# Allegro board F407_PACK_V10A.brd (continued)
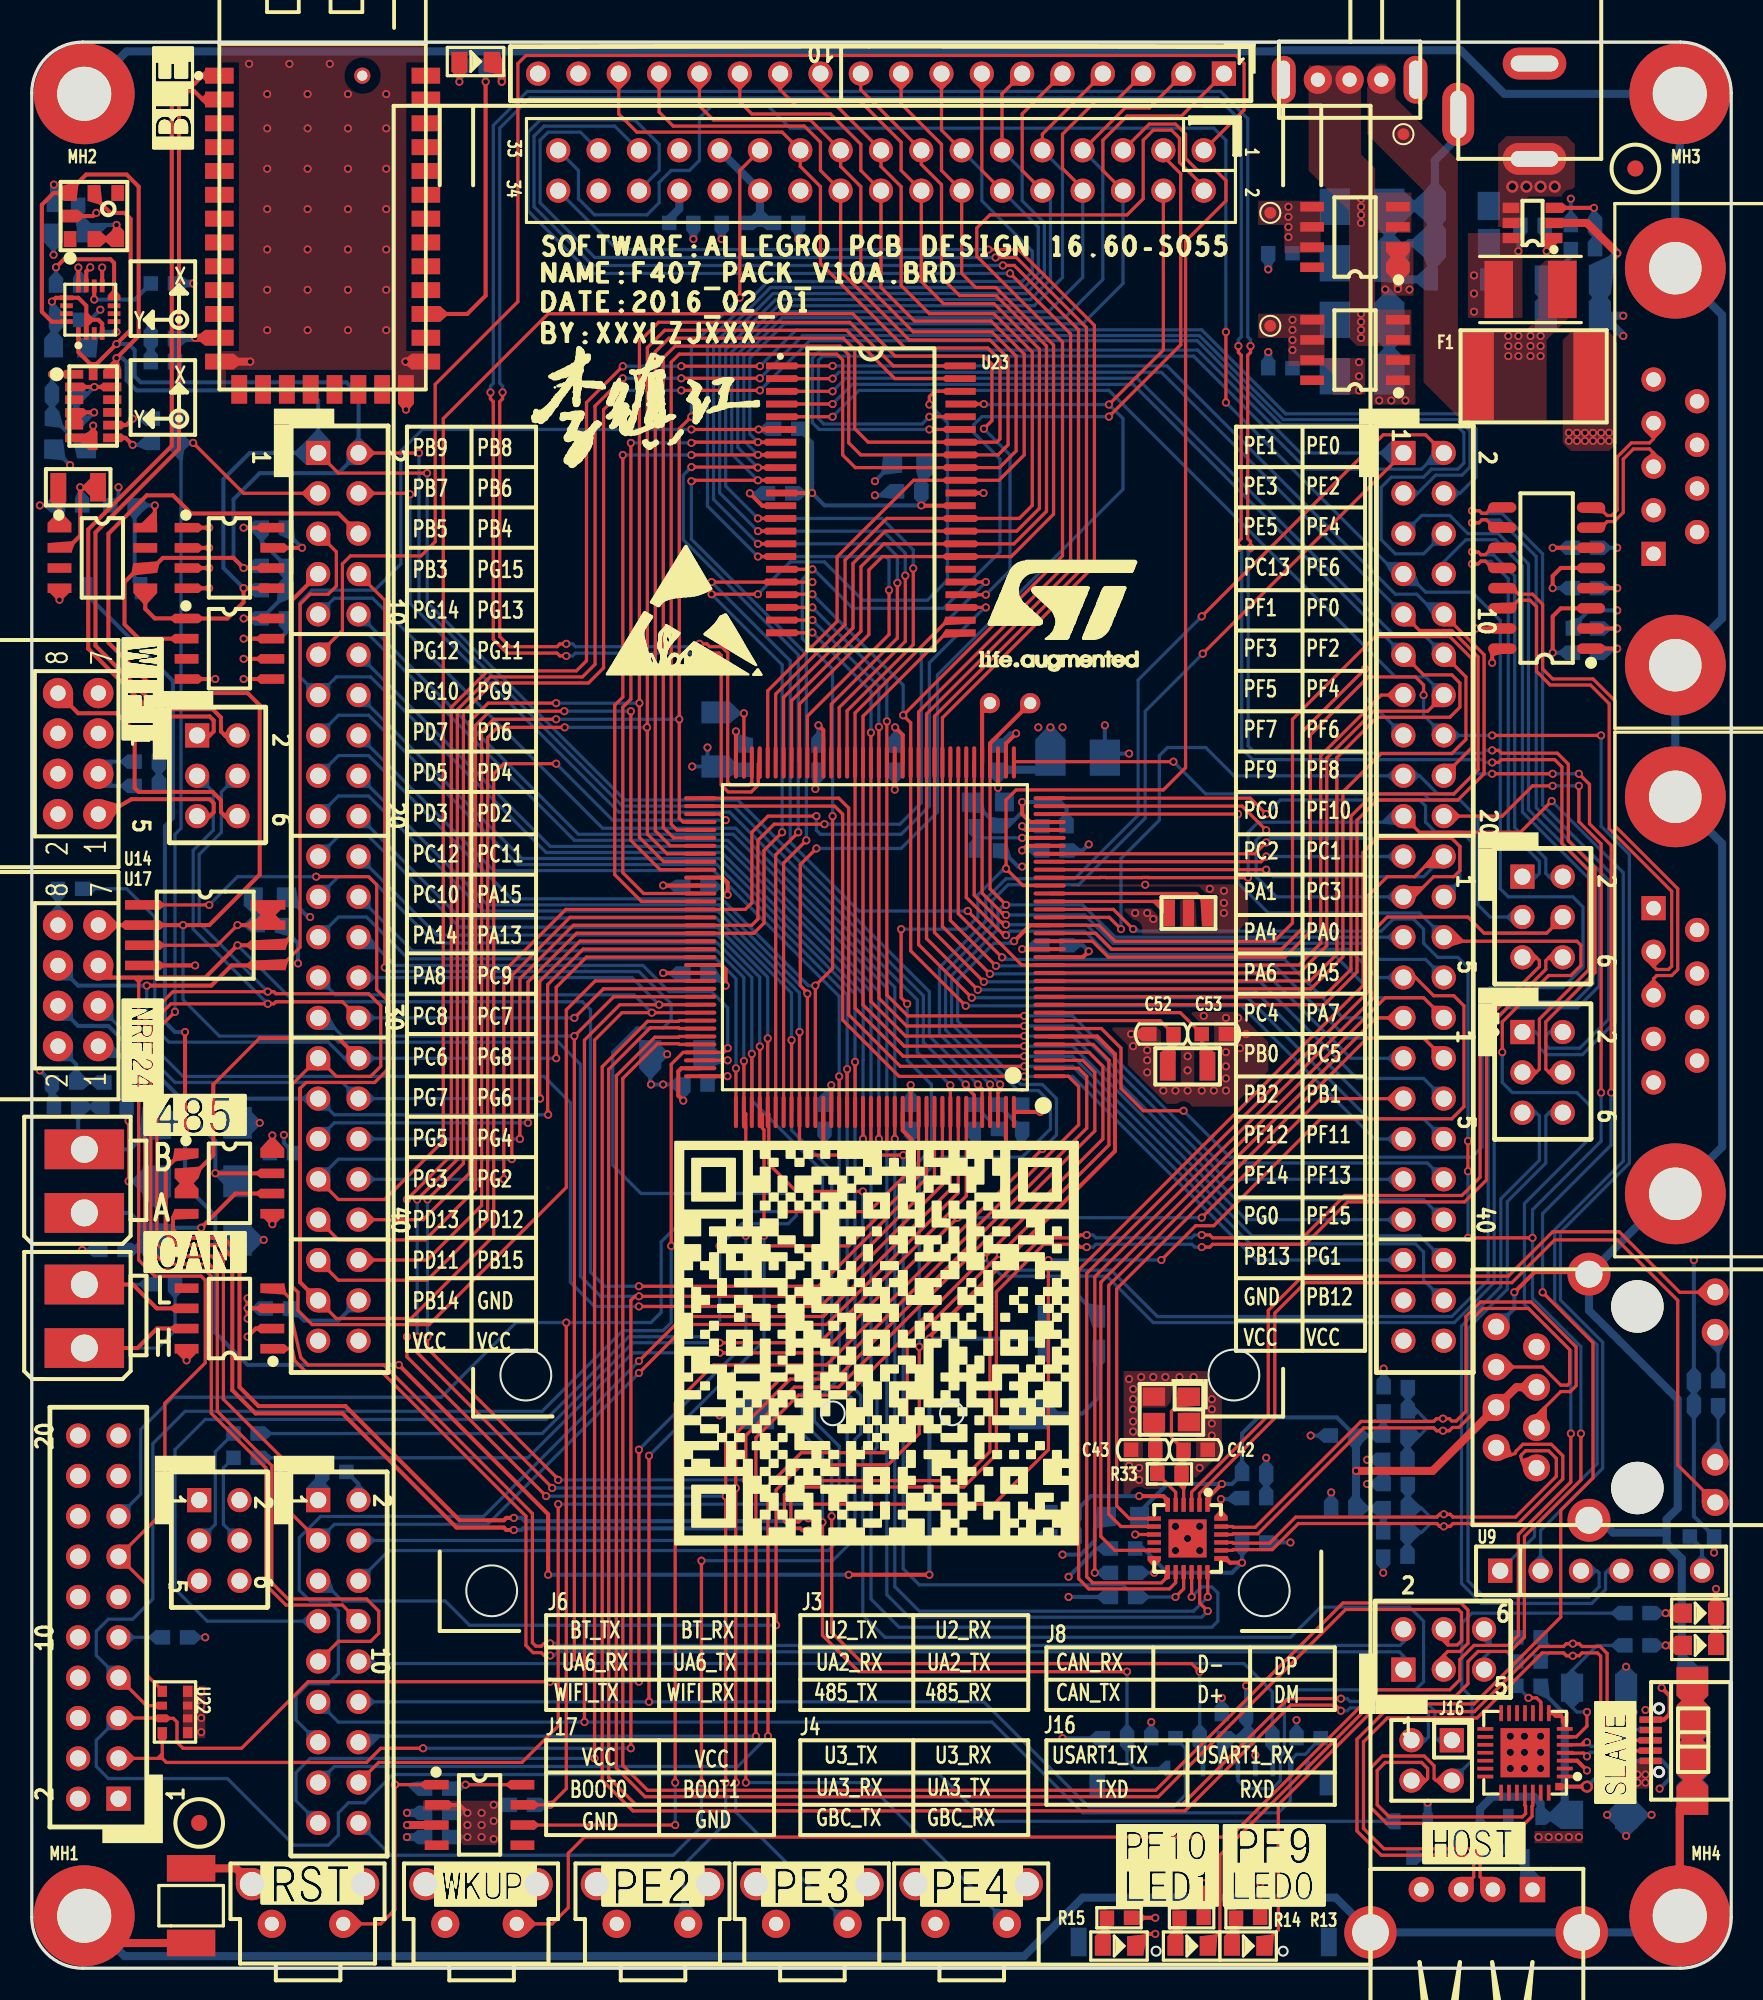
[diagram p0: board, top side]
## Footprints (pads in the part's own frame, mm; a bottom-side part is the same pattern mirrored in y, then rotated) (continued)
MARKPOINT_R3
  round 1.016 smd: 1(0,0)
NRF24L01PACK
  round 1.905 hole 0.965: 1(0,0) 2(0,2.54) 3(2.54,0) 4(2.54,2.54) 5(5.08,0) 6(5.08,2.54) 7(7.62,0) 8(7.62,2.54)
OV2640
  rect 1.524x1.524 hole 1.016: 1(0,0)
  round 1.524 hole 1.016: 2(0,2.54) 3(2.54,0) 4(2.54,2.54) 5(5.08,0) 6(5.08,2.54) 7(7.62,0) 8(7.62,2.54) 9(10.16,0) 10(10.16,2.54) 11(12.7,0) 12(12.7,2.54) 13(15.24,0) 14(15.24,2.54) 15(17.78,0) 16(17.78,2.54) 17(20.32,0) 18(20.32,2.54)
POWER2A
  rect 5x2.5 hole 1.7: 1(2.912,6.05) 2(2.912,2.05)
QFN-24
  rect 0.85x0.28 smd: 1(-2.1,1.25) 2(-2.1,0.75) 3(-2.1,0.25) 4(-2.1,-0.25) 5(-2.1,-0.75) 6(-2.1,-1.25) 13(2.1,-1.25) 14(2.1,-0.75) 15(2.1,-0.25) 16(2.1,0.25) 17(2.1,0.75) 18(2.1,1.25)
  rect 0.28x0.85 smd: 7(-1.25,-2.1) 8(-0.75,-2.1) 9(-0.25,-2.1) 10(0.25,-2.1) 11(0.75,-2.1) 12(1.25,-2.1) 19(1.25,2.1) 20(0.75,2.1) 21(0.25,2.1) 22(-0.25,2.1) 23(-0.75,2.1) 24(-1.25,2.1)
  rect 2.4x2.4 smd: 25(0,0)
QFN-28
  rect 1x0.23 smd: 1(0,0) 2(0,-0.5) 3(0,-1) 4(0,-1.5) 5(0,-2) 6(0,-2.5) 7(0,-3) 15(5.003,-2.998) 16(5.003,-2.498) 17(5.003,-1.998) 18(5.003,-1.498) 19(5.003,-0.998) 20(5.003,-0.498) 21(5.003,0.002)
  rect 0.23x1 smd: 8(1.006,-3.987) 9(1.506,-3.987) 10(2.006,-3.987) 11(2.506,-3.987) 12(3.006,-3.987) 13(3.506,-3.987) 14(4.006,-3.987) 22(4.014,1.016) 23(3.514,1.016) 24(3.014,1.016) 25(2.514,1.016) 26(2.014,1.016) 27(1.514,1.016) 28(1.014,1.016)
  rect 0.45x0.47 smd: 29(0.381,0.635)
  rect 3.1x3.1 smd: 30(2.5,-1.5)
R0603X4
  rect 0.7x0.6 smd: 1(-1.3,-0.8) 4(1.3,-0.8) 5(1.3,0.8) 8(-1.3,0.8)
  rect 0.5x0.6 smd: 2(-0.4,-0.8) 3(0.4,-0.8) 6(0.4,0.8) 7(-0.4,0.8)
RC0603
  rect 0.914x0.914 smd: 1(-0.762,0) 2(0.762,0)
SMB
  rect 1.8x2 smd: 1(-2.54,0) 2(2.54,0)
SMD-7050
  rect 2x5.5 smd: 1(0,0) 2(7,0)
SO-8-208
  rect 0.6x2.2 smd: 1(-1.905,-3.95) 2(-0.635,-3.95) 3(0.635,-3.95) 4(1.905,-3.95) 5(1.905,3.95) 6(0.635,3.95) 7(-0.635,3.95) 8(-1.905,3.95)
SOD123
  rect 0.8x1.4 smd: 1(-0.127,0) 2(3.327,0)
SOIC8
  rect 0.6x1.5 smd: 1(-1.9,-2.7) 2(-0.63,-2.7) 3(0.64,-2.7) 4(1.91,-2.7) 5(1.91,2.7) 6(0.64,2.7) 7(-0.63,2.7) 8(-1.9,2.7)
SOP-16
  oval 0.66x1.778 smd: 1(-4.445,-2.794) 2(-3.175,-2.794) 3(-1.905,-2.794) 4(-0.635,-2.794) 5(0.635,-2.794) 6(1.905,-2.794) 7(3.175,-2.794) 8(4.445,-2.794) 9(4.445,2.794) 10(3.175,2.794) 11(1.905,2.794) 12(0.635,2.794) 13(-0.635,2.794) 14(-1.905,2.794) 15(-3.175,2.794) 16(-4.445,2.794)
SOT23-6
  rect 0.65x1.06 smd: 1(-0.95,-1.354) 2(0,-1.354) 3(0.95,-1.354) 4(0.95,1.354) 5(0,1.354) 6(-0.95,1.354)
SOT23_123
  rect 0.66x1.016 smd: 1(-1.016,-1.118) 2(1.016,-1.118) 3(0,1.118)
SOT23_GDS
  rect 0.66x1.016 smd: 1(-1.016,-1.27) 2(1.016,-1.27) 3(0,1.27)
SW-6X6X6-L
  round 2.032 hole 1.524: 1(-1.25,2.5) 4(5.75,2.5)
  round 1.778 hole 0.889: 2(0,0) 3(4.5,0)
SWITCH_3P
  oval 1.5x3 hole 0.8x2.4: 1(0,0) 5(8.3,0)
  round 1.778 hole 0.889: 2(2.15,0) 3(4.15,0) 4(6.15,0)
TFCARD
  rect 0.3x1 smd: 1(2.25,0) 2(1.15,0) 3(0.05,0) 4(-1.05,0) 5(-2.15,0) 6(-3.25,0) 7(-4.35,0) 8(-5.45,0) 9(-6.55,0)
  rect 1x1.4 smd: 10(-7.8,-1) 13(6.7,-1)
  rect 1x1.8 smd: 11(-7.874,-10.922) 12(7.874,-10.922)
TFTLCD
  round 1.524 hole 1.016: 1(0,0) 2(2.54,0) 3(0,-2.54) 4(2.54,-2.54) 5(0,-5.08) 6(2.54,-5.08) 7(0,-7.62) 8(2.54,-7.62) 9(0,-10.16) 10(2.54,-10.16) 11(0,-12.7) 12(2.54,-12.7) 13(0,-15.24) 14(2.54,-15.24) 15(0,-17.78) 16(2.54,-17.78) 17(0,-20.32) 18(2.54,-20.32) 19(0,-22.86) 20(2.54,-22.86) 21(0,-25.4) 22(2.54,-25.4) 23(0,-27.94) 24(2.54,-27.94) 25(0,-30.48) 26(2.54,-30.48) 27(0,-33.02) 28(2.54,-33.02) 29(0,-35.56) 30(2.54,-35.56) 31(0,-38.1) 32(2.54,-38.1) 33(0,-40.64) 34(2.54,-40.64)
TP-0R75
  round 0.75 smd: 1(0,0)
TQFN-3X3-16
  rect 0.3x0.8 smd: 1(-0.75,-1.5) 2(-0.25,-1.5) 3(0.25,-1.5) 4(0.75,-1.5) 9(0.75,1.5) 10(0.25,1.5) 11(-0.25,1.5) 12(-0.75,1.5)
  rect 0.8x0.3 smd: 5(1.5,-0.75) 6(1.5,-0.25) 7(1.5,0.25) 8(1.5,0.75) 13(-1.5,0.75) 14(-1.5,0.25) 15(-1.5,-0.25) 16(-1.5,-0.75)
TSOP-44
  rect 1.905x0.432 smd: 1(-5.65,8.4) 2(-5.65,7.6) 3(-5.65,6.8) 4(-5.65,6) 5(-5.65,5.2) 6(-5.65,4.4) 7(-5.65,3.6) 8(-5.65,2.8) 9(-5.65,2) 10(-5.65,1.2) 11(-5.65,0.4) 12(-5.65,-0.4) 13(-5.65,-1.2) 14(-5.65,-2) 15(-5.65,-2.8) 16(-5.65,-3.6) 17(-5.65,-4.4) 18(-5.65,-5.2) 19(-5.65,-6) 20(-5.65,-6.8) 21(-5.65,-7.6) 22(-5.65,-8.4) 23(5.65,-8.4) 24(5.65,-7.6) 25(5.65,-6.8) 26(5.65,-6) 27(5.65,-5.2) 28(5.65,-4.4) 29(5.65,-3.6) 30(5.65,-2.8) 31(5.65,-2) 32(5.65,-1.2) 33(5.65,-0.4) 34(5.65,0.4) 35(5.65,1.2) 36(5.65,2) 37(5.65,2.8) 38(5.65,3.6) 39(5.65,4.4) 40(5.65,5.2) 41(5.65,6) 42(5.65,6.8) 43(5.65,7.6) 44(5.65,8.4)
USB-A
  rect 1.6x1.6 hole 0.9: 1(0,0)
  round 1.6 hole 0.9: 2(0,-2.5) 3(0,-4.5) 4(0,-7)
  round 3.3 hole 2.3: 5(2.7,3.1) 6(2.7,-10.2)
USB-MICRO
  rect 0.4x1.4 smd: 1(-1.31,-0.07) 2(-0.66,-0.07) 3(-0.01,-0.07) 4(0.64,-0.07) 5(1.29,-0.07)
  rect 1.8x2 smd: 6(-3.8,-2.7) 7(-1.2,-2.7) 8(1.3,-2.7) 9(3.7,-2.7)
X-2P-3R2X1R5-SMD
  rect 1x1.8 smd: 1(-1.25,0) 2(1.25,0)
X-3P-3R2X1R3-SMD
  rect 0.7x1.7 smd: 1(0,0) 2(1.2,0) 3(2.4,0)
X-4P-3R2X2R5-SMD
  rect 1.4x1.15 smd: 1(-1.1,-0.8) 2(1.1,-0.8) 3(1.1,0.8) 4(-1.1,0.8)

## Nets
GND: BEAD1.2 C1.2 C2.2 C4.2 C5.2 C6.2 C7.2 C8.2 C9.2 C10.1 C11.2 C12.2 C13.1 C14.2 C15.2 C17.1 C18.1 C20.2 C21.2 C22.1 C23.2 C24.1 C25.2 C26.1 C27.1 C28.2 C29.2 C30.1 C31.1 C32.1 C33.2 C34.2 C35.2 C36.1 C38.2 C39.2 C40.2 C41.2 C42.1 C43.1 C44.1 C45.1 C46.1 C47.1 C48.1 C49.1 C50.1 C51.1 C52.1 C53.1 C54.1 C55.2 C56.2 C57.1 C58.2 C59.1 C60.1 C61.1 C62.2 C63.2 C65.1 C66.1 C67.1 C68.1 C69.1 C70.1 C71.1 C72.1 C73.1 C74.1 C75.1 C76.1 C77.2 D1.2(CATHODE) D2.2(CATHODE) D3.1 D6.2(CATHODE) D8.2 D10.1 D11.2(CATHODE) DC1.2 DC1.3 J1.5 J2.1 J10.43 J11.4 J11.6 J11.8 J11.10 J11.12 J11.14 J11.16 J11.18 J11.20 J12.44 J13.17 J14.2(10) J15.22(GND_3) J15.26(GND_2) J15.27(GND_1) J17.5 J17.6 Q2.2(E) R4.2 R16.1 R19.2 R32.1 R34.2 R35.2 R36.2 R39.2 R40.1 R46.2 SW1.1 SW1.5 SW2.1 SW2.4 SW3.1 SW3.2 SW3.4 SW4.1 SW4.2 SW4.4 SW5.1 SW5.2 SW5.4 SW6.1 SW6.2 SW6.4 U1.3(GND_1) U1.29(GND_2) U1.30(GND_3) U2.2(GND) U3.1(GND) U3.2(E\N\) U4.1(GND) U4.2(E\N\) U5.4(GND) U6.6(GND) U7.15(GND) U8.1(A0) U8.2(A1) U8.3(A2) U8.4(GND) U8.7(WP) U9.5(GND) U10.4(VSS) U11.13(GND_1) U11.21(GND_2) U11.22(GND_3) U12.4(GND) U12.5(A2) U12.6(A1) U12.7(A0) U13.5(GND) U14.2(GND) U15.2(GND) U15.8(RS) U16.2(GND_1) U16.4(GND_2) U16.5(GND_3) U16.12(SDO/ALT) U17.1(GND) U18.9(GND_1) U18.11(GND_2) U19.7(GND) U20.25(GND) U21.16(VSS_1) U21.38(VSS_2) U21.51(VSS_3) U21.61(VSS_4) U21.83(VSS_5) U21.94(VSS_6) U21.107(VSS_7) U21.120(VSS_8) U21.130(VSS_9) U23.12(GND_1) U23.34(GND_2) U24.3(GND) U26.2 USB1.5(GND) USB2.5(GND) USB3.4(GND) X2.2 X2.4 X4.2
GND_EARTH: BEAD1.1 J1.10 J1.11 J2.10 J2.11 J9.8(CHS_GND) J9.13(SHILED_1) J9.14(SHILED_2) MH1.1 MH2.1 MH3.1 MH4.1 USB1.6(P_2) USB1.7(P_1) USB1.8(P_3) USB1.9(P_4) USB2.6(P_2) USB2.7(P_1) USB2.8(P_3) USB2.9(P_4) USB3.5(P_2) USB3.6(P_1)
VCC2_3V3: C12.1 C13.2 C62.1 C63.1 R45.1 TP3.1 U4.5(OUT_2) U4.6(OUT_1) U4.7(SENSE) U24.2(VCC)
VCC_3V3: C9.1 C10.2 C15.1 C20.1 C21.1 C24.2 C25.1 C26.2 C27.2 C30.2 C31.2 C33.1 C34.1 C57.2 C59.2 C60.2 C65.2 C66.2 C67.2 C68.2 C69.2 C70.2 C71.2 C72.2 C73.2 C74.2 C75.2 C76.2 C77.1 D12.1 J10.45 J10.46 J11.1 J11.2 J12.45 J12.46 J13.18 J14.1 J15.24(VDD_2) J15.25(VDD_1) J17.1 J17.2 L2.2 L3.2 L4.1 L5.1 L6.1(A) L7.1(A) L8.2 R6.2 R7.2 R8.2 R9.2 R10.1 R11.1 R12.1 R13.1 R14.1 R15.1 R38.2 SW2.2 TP2.1 U3.5(OUT_2) U3.6(OUT_1) U3.7(SENSE) U6.4(VCC) U7.16(VCC) U8.8(VCC) U9.6(VCC) U11.12(3.3V) U12.8(VCC) U13.8(VCC) U14.3(CH_PD) U14.4(GPIO2) U14.7(VCC) U17.2(VCC) U21.17(VDD_1) U21.30(VDD_2) U21.39(VDD_3) U21.52(VDD_4) U21.62(VDD_5) U21.72(VDD_6) U21.84(VDD_7) U21.95(VDD_8) U21.108(VDD_9) U21.121(VDD_10) U21.131(VDD_11) U21.144(VDD_12) U22.5 U22.6 U22.7 U22.8
VCC_5V: C1.1 C8.1 C11.1 C28.1 C61.2 J15.28(BL_VDD) Q1.2 R3.2 R25.2 SW1.3 SW1.4 U1.7(REGIN) U1.8(VBUS) U3.3(IN_1) U3.4(IN_2) U4.3(IN_1) U4.4(IN_2) U15.3(VCC)
VCC_5VOUT: C6.1 C7.1 F1.1 L1.2(B) R5.1 SW1.2 TP1.1
VCC_LAN8720A: C39.1 C46.2 C49.2 C50.2 C51.2 J9.4(TCT) J9.5(RCT) L6.2(B) R28.1 R29.1 R30.1 R31.1 U20.1(VDD2A) U20.9(VDDIO) U20.19(VDD1A)
VCC_VBAT: D7.1 D12.2 D13.2 U21.6(VBAT)
VCC_VDDA: C64.2 L8.1 R47.1 U21.33(VDDA)
VCC_VUSB: F1.2 USB1.1(VBUS) USB2.1(VBUS)
VSSA: C64.1 R46.1 U21.31(VSSA)
ADXL345_INT: J12.3 J14.3(2) R21.2 R22.2 U21.137(PB7)
BOOT0: R42.1 U21.138(BOOT0)
BOOT1: J10.33 J15.29(MISO) R43.2 U21.48(PB2/BOOT1 (PB2))
BT_RXD: J6.2 U11.2(UART_RXD)
BT_TXD: J6.1 U11.1(UART_TXD)
CAN_RX: J8.2 U15.4(R)
CAN_TX: J8.1 U15.1(D)
DCMI_D5: J12.4 J14.13(7) U21.136(PB6)
DCMI_D6: J10.5 J14.14(16) U21.4(PE5)
DCMI_D7: J10.8 J14.15(8) U21.5(PE6)
DCMI_HREF: J10.25 J14.5(3) J18.1 U21.40(PA4)
DCMI_PCLK: J10.27 J14.16(17) U21.42(PA6)
DCMI_PWDN: J12.14 J14.18 U21.124(PG9)
DCMI_RESET: J12.8 J14.7(4) U21.132(PG15)
DCMI_SCL: J12.16 J14.4(11) U21.122(PD6)
DCMI_SDA: J12.15 J14.6(12) U21.123(PD7)
DCMI_XCLK: J12.27 J14.17(9) U21.100(PA8)
ETH_MDC: J10.22 U20.13(MDC) U21.27(PC1)
ETH_MDIO: J3.4 R37.2 U21.36(PA2)
ETH_RST: J12.19 R36.1 U20.15(R\S\T\) U21.117(PD3)
FSMC_A0: J10.10 U21.10(PF0) U23.1(A0)
FSMC_A1: J10.9 U21.11(PF1) U23.2(A1)
FSMC_A2: J10.12 U21.12(PF2) U23.3(A2)
FSMC_A3: J10.11 U21.13(PF3) U23.4(A3)
FSMC_A4: J10.14 U21.14(PF4) U23.5(A4)
FSMC_A5: J10.13 U21.15(PF5) U23.18(A5)
FSMC_A6: J10.35 J15.2(RS) U21.50(PF12) U23.19(A6)
FSMC_A7: J10.38 U21.53(PF13) U23.20(A7)
FSMC_A8: J10.37 U21.54(PF14) U23.21(A8)
FSMC_A9: J10.40 U21.55(PF15) U23.22(A9)
FSMC_A10: J10.39 U21.56(PG0) U23.23(A10)
FSMC_A11: J10.42 U21.57(PG1) U23.24(A11)
FSMC_A12: J12.38 U21.87(PG2) U23.25(A12)
FSMC_A13: J12.37 U21.88(PG3) U23.26(A13)
FSMC_A14: J12.36 U21.89(PG4) U23.27(A14)
FSMC_A15: J12.35 U21.90(PG5) U23.42(A15)
FSMC_A16: J12.41 U21.80(PD11) U23.43(A16)
FSMC_A17: J12.40 U21.81(PD12) U23.44(A17)
FSMC_A18: J12.39 U21.82(PD13)
FSMC_D0: J13.1 J15.6(D0) U21.85(PD14) U23.7(I/O0)
FSMC_D1: J13.2 J15.7(D1) U21.86(PD15) U23.8(I/O1)
FSMC_D2: J13.3 J15.8(D2) U21.114(PD0) U23.9(I/O2)
FSMC_D3: J13.4 J15.9(D3) U21.115(PD1) U23.10(I/O3)
FSMC_D4: J13.5 J15.10(D4) U21.58(PE7) U23.13(I/O4)
FSMC_D5: J13.6 J15.11(D5) U21.59(PE8) U23.14(I/O5)
FSMC_D6: J13.7 J15.12(D6) U21.60(PE9) U23.15(I/O6)
FSMC_D7: J13.8 J15.13(D7) U21.63(PE10) U23.16(I/O7)
FSMC_D8: J13.9 J15.14(D8) U21.64(PE11) U23.29(I/O8)
FSMC_D9: J13.10 J15.15(D9) U21.65(PE12) U23.30(I/O9)
FSMC_D10: J13.11 J15.16(D10) U21.66(PE13) U23.31(I/O10)
FSMC_D11: J13.12 J15.17(D11) U21.67(PE14) U23.32(I/O11)
FSMC_D12: J13.13 J15.18(D12) U21.68(PE15) U23.35(I/O12)
FSMC_D13: J13.14 J15.19(D13) U21.77(PD8) U23.36(I/O13)
FSMC_D14: J13.15 J15.20(D14) U21.78(PD9) U23.37(I/O14)
FSMC_D15: J13.16 J15.21(D15) U21.79(PD10) U23.38(I/O15)
FSMC_NBL0: J10.2 U21.141(PE0) U23.40(U\B\)
FSMC_NBL1: J10.1 U21.142(PE1) U23.39(L\B\)
FSMC_NE3: J12.13 R41.2 U21.125(PG10) U23.6(C\E\)
FSMC_NE4: J12.11 J15.1(LCD_CS) U21.127(PG12)
FSMC_NOE: J12.18 J15.4(RD) U21.118(PD4) U23.41(O\E\)
FSMC_NWE: J12.17 J15.3(WR/CLK) U21.119(PD5) U23.17(W\E\)
GBC_KEY: J10.16 U9.2(KEY) U21.18(PF6)
GBC_LED: J10.19 U9.1(LED) U21.26(PC0)
GBC_RX: J4.6 U9.3(RXD)
GBC_TX: J4.5 U9.4(TXD)
IIC_SCL: J12.2 R8.1 U8.6(SCL) U10.6(SCL) U12.2(SCL) U16.14(SCL/SCLK) U18.1(SCL) U19.5(SCL) U21.139(PB8)
IIC_SDA: J12.1 R9.1 U8.5(SDA) U10.5(SDA) U12.1(SDA) U16.13(SDA/SDIO) U18.16(SDA) U19.6(SDA) U21.140(PB9)
JTAG_TCK: J12.25 U21.109(PA14 (JTCK/SWCLK))
JTAG_TCLK: J11.9 R40.2
JTAG_TMS: J11.7 J12.26 U21.105(PA13 (JTMS-SWDIO)) U22.2
KEY0: J10.6 SW3.3 U21.3(PE4)
KEY1: J10.3 SW4.3 U21.2(PE3)
KEY2: J10.4 SW5.3 U21.1(PE2)
LCD_BL: J12.42 J15.23(BL) U21.76(PB15)
LED0: D4.2(CATHODE) J10.17 U21.21(PF9)
LED1: D5.2(CATHODE) J10.20 U21.22(PF10)
LINK_LED: J9.12(LED(Y)_A) U20.3(LED1/R\E\G\O\F\F\)
NRF_CE: J12.34 U17.3(CE) U21.91(PG6)
NRF_CS: J12.33 U17.4(CSN) U21.92(PG7)
NRF_IRQ: J12.32 R26.1 U13.2(R\E\) U13.3(DE) U21.93(PG8)
NRST: J11.15 J15.5(RST) R45.2 U21.25(NRST) U24.7(R\S\T\)
PA5: J10.28 J18.2 U21.41(PA5)
PB0: J10.31 J15.34(CLK) U21.46(PB0)
PB1: J10.34 J15.31(T_PEN) U21.47(PB1)
PB12: J10.44 U21.73(PB12)
PB13: J10.41 U21.74(PB13)
PC2: J10.21 U21.28(PC2)
PC3: J10.24 U21.29(PC3)
PC13: J10.7 J15.33(T_CS) U21.7(PC13)
PC14: C52.2 U21.8(PC14/OSC32_IN (PC14)) X3.2
PC15: C53.2 U21.9(PC15/ OSC32_OUT (PC15)) X3.1
PF7: J10.15 U21.19(PF7)
PF8: J10.18 U21.20(PF8) U24.6(WDI)
PF11: J10.36 J15.30(MOSI) U21.49(PF11)
RMII_CRS_DV: J10.30 U20.11(CRS_DV/M\O\D\E\2\) U21.43(PA7)
RMII_REFCLK: J10.23 U20.14(I\N\T\/REFCLKO) U21.35(PA1)
RMII_RX0: J10.29 U20.8(RXD0/M\O\D\E\0\) U21.44(PC4)
RMII_RX1: J10.32 U20.7(RXD1/M\O\D\E\1\) U21.45(PC5)
RMII_TXD0: J12.10 U20.17(TXD0) U21.128(PG13)
RMII_TXD1: J12.9 U20.18(TXD1) U21.129(PG14)
RMII_TXEN: J12.12 U20.16(TXEN) U21.126(PG11)
RS485_RX: J3.6 U13.4(DI)
RS485_TX: J3.5 U13.1(RO)
RXD: J16.4 U1.25(RXD)
SDIO_CLK: J12.21 U6.5(CLK) U21.113(PC12)
SDIO_CMD: J12.20 R10.2 U6.3(CMD) U21.116(PD2)
SDIO_D0: J12.29 J14.10(14) R6.1 U6.7(DAT0) U21.98(PC8)
SDIO_D1: J12.28 J14.11(6) R7.1 U6.8(DAT1) U21.99(PC9)
SDIO_D2: J12.23 R12.2 U6.1(DAT2) U21.111(PC10)
SDIO_D3: J12.22 J14.12(15) R11.2 U6.2(DAT3) U21.112(PC11)
SPEED_LED: J9.9(LED(G)_A) U20.2(LED2/I\N\T\S\E\L\)
TPRX+: C47.2 J9.3(RD+) R28.2 U20.23(RXP)
TPRX-: C48.2 J9.6(RD-) R29.2 U20.22(RXN)
TPTX+: C41.1 J9.1(TD+) R30.2 U20.21(TXP)
TPTX-: C40.1 J9.2(TD-) R31.2 U20.20(TXN)
TXD: J16.2 R1.1 U1.26(TXD)
U2_RX: J3.2 U7.11(TIN1)
U2_TX: J3.1 U7.12(ROUT1)
U3_RX: J4.2 U7.10(TIN2)
U3_TX: J4.1 U7.9(ROUT2)
USART1_RX: J16.1 U21.102(PA10)
USART1_TX: J16.3 U21.101(PA9)
USART2_RX: J3.3 U21.37(PA3)
USART3_RX: J4.3 U21.70(PB11)
USART3_TX: J4.4 U21.69(PB10)
USART6_RX: J6.3 J12.30 J14.9(5) U21.97(PC7)
USART6_TX: J6.4 J12.31 J14.8(13) U21.96(PC6)
USB_D+: J8.3 U21.104(PA12)
USB_D-: J8.4 U21.103(PA11)
USB_DM: R24.2 USB2.2(D-) USB3.2(D-)
USB_DP: R23.2 USB2.3(D+) USB3.3(D+)
USB_PWR: J11.5 J12.24 Q2.1(B) U21.110(PA15 (JTDI)) U22.3
VREF+: R47.2 U21.32(VREF+)
W25QXX_CS: J12.43 U5.1(C\S\) U21.75(PB14)
W25QXX_SPI_CLK: J11.13 J12.7 U5.6(CLK) U17.5(SCK) U21.133(PB3 (JTDO/) U22.1
W25QXX_SPI_MISO: J11.3 J12.6 U5.2(DO) U17.7(MISO) U21.134(PB4 (NJTRST)) U22.4
W25QXX_SPI_MOSI: J12.5 U5.5(DI) U17.6(MOSI) U21.135(PB5)
WIFI_RXD: J6.6 U14.8(RXD)
WIFI_TXD: J6.5 U14.1(TXD)
WK_UP: J10.26 SW2.3 U21.34(PA0/WKUP (PA0))
N10964059: C22.2 U10.2(OSCO) X1.1
N10964377: C14.1 L2.1 U5.3(W\P\) U5.7(H\O\L\D\) U5.8(VCC)
N10965727: R18.1 U11.24(PIO1)
N10988251: R44.2 U24.8(W\D\O\)
N10988379: R44.1 SW6.3 U24.1(M\R\)
N11517045: U21.23(PH0/OSC_IN (PH0)) X4.1
N11517097: U21.24(PH1/OSC_OUT (PH1)) X4.3
N11518043: R38.1 R39.1 U21.143(PDR_ON)
N11518115: C56.1 U21.106(VCAP_2)
N11524608: C54.2 C55.1 L7.2(B) R41.1 U23.11(VCC_1) U23.33(VCC_2)
N11543983: C44.2 C45.2 U20.6(VDDCR)
N11544758: R32.2 U20.24(RBIAS)
N11545616: R37.1 U20.12(MDIO)
N11546552: C42.2 R33.1 U20.4(XTAL2) X2.1
N11546564: C43.2 R33.2 U20.5(XTAL1/CLKIN) X2.3
N11550641: J9.11(LED(Y)_K) R34.1
N11550645: J9.10(LED(G)_K) R35.1
N11556832: U10.1(OSCI) X1.2
N11557131: C23.1 D7.2 U10.8(VDD)
N11560624: D4.1(ANODE) R13.2
N11560628: D5.1(ANODE) R14.2
N11560632: D6.1(ANODE) R15.2
N11597010: C16.1 U7.1(C1+)
N11597014: C19.2 U7.5(C2-)
N11597026: C19.1 U7.4(C2+)
N11597030: C16.2 U7.3(C1-)
N11597070: C18.2 U7.6(V-)
N11597652: J1.3 U7.13(RIN1)
N11597726: J1.2 U7.14(TOUT1)
N11598195: J2.3 U7.7(TOUT2)
N11598207: J2.4 U7.8(RIN2)
N11600615: D9.1 D10.2 J5.1 R17.2 R19.1 U13.6(A)
N11600619: D8.1 D9.2 J5.2 R16.2 R17.1 U13.7(B)
N11604660: J7.1 R20.1 U15.7(CANH)
N11604675: J7.2 R20.2 U15.6(CANL)
N11605775: J8.5 R24.1
N11606370: J8.6 R23.1
N11611671: Q2.3(C) R25.1 R27.1
N11611675: Q1.1 R27.2
N11612127: Q1.3 USB3.1(VBUS)
N11615031: C29.1 C32.2 L3.1 U16.1(VDDIO) U16.6(VSUP) U16.7(C\S\)
N11623966: C58.1 U21.71(VCAP_1)
N11629153: C4.1 C5.1 DC1.1 U2.4(EN) U2.5(VIN)
N11629321: C3.1 D3.2 L1.1(A) U2.6(PHASE)
N11629345: R4.1 R5.2 U2.3(FB)
N11637754: U1.4(D+) USB1.3(D+)
N11637758: U1.5(D-) USB1.2(D-)
N11638713: C2.1 R2.1 U1.6(VDD)
N11638764: R3.1 U1.9(R\S\T\)
N11638791: D2.1(ANODE) R2.2
N11655091: C37.2 U18.8(SETP)
N11655103: C37.1 U18.12(SETC)
N11655143: C36.2 U18.10(C1)
N11655207: C35.1 L4.2 U18.2(VDD) U18.4(S1) U18.13(VDDIO)
N11658313: R26.2 U17.8(IRQ)
N11662281: C38.1 L5.2 U19.2(VDD) U19.3(VDDIO)
N109658590: D11.1(ANODE) R18.2
N115355290: J17.4 R43.1
N115355295: J17.3 R42.2
N115971308: C17.2 U7.2(V+)
N116149477: R22.1 U16.8(INT1)
N116149478: R21.1 U16.9(INT2)
N116292693: C3.2 U2.1(BOOT)
N116389271: D1.1(ANODE) R1.2
N117249130: D13.1 U26.1

Pads without a net: J1 1 4 6 7 8 9; J2 2 5 6 7 8 9; J9 7; J11 11 17 19; J15 32; MP1 1; MP2 1; U1 1 2 10 11 12 13 14 15 16 17 18 19 20 21 22 23 24 27 28; U3 8; U4 8; U6 9 10 11 12 13; U10 3 7; U11 3 4 5 6 7 8 9 10 11 14 15 16 17 18 19 20 23 25 26 27 28 29 30 31 32 33 34 35; U12 3; U14 5 6; U15 5; U16 3 10 11; U18 3 5 6 7 14 15; U19 1 4; U20 10; U23 28; U24 4 5; USB1 4; USB2 4

## Via types
v1: diameter 0.508, hole 0.305, TOP to BOTTOM, 652 vias
v2: diameter 0.762, hole 0.457, TOP to BOTTOM, 19 vias

## Routing (per net, layer and track width the routed paths; a pad name or vN(x,y) marks a point on that pad's centre or on a via; arc(x,y) is an arc through that point)
GND: length 282
  TOP w0.254: U16.2 v1(3.94,99.53) U16.12 ; v1(13.59,39.75) 14.1,40.26 U15.2 ; v1(17.02,89.41) 17.01,89.4 15.15,89.4 ; U13.5 v1(15.15,46.83) ; v1(3.68,107.06) 3.43,106.81 U18.11 ; U23.34 v1(59.92,92.86) ; U10.4 v1(1.75,86.14) ; U19.7 3.86,110.29 v1(4.06,110.49) ; U18.9 v1(4.43,107.05) ; U8.1 v1(11.17,90.67) ; v1(61.98,77.72) 61.34,77.08 U21.38 ; U23.12 45.99,92.06 v1(45.21,92.84) ; 101.92,15.64 102.76,15.64 103.12,16 103.12,17.14 v1(102.62,17.65) ; U16.5 U16.4 v1(3.92,97.93) ; v1(70.74,2.16) 70.23,2.16 69.47,1.4 ; U21.61 49.84,77.93 v1(49.53,78.23) ; U21.107 40.9,56.65 40.7,56.45 40.7,54.93 v1(41.02,54.61) ; U21.16 66.19,63.65 v1(66.55,64.01) ; U12.4 v1(11.55,81.15) ; U7.15 v1(90.93,84.33) ; U1.29 v2(97.92,11.43) ; U1.3 97.3,13.06 v1(97.92,12.45) ; U12.5 v1(13.34,81.15) ; C53.1 v1(76.45,58.8) ; U21.83 43.49,68.65 43.81,68.33 v1(43.81,67.56) ; 49.84,53.9 49.84,51.76 v1(49.91,51.69) ; 54.84,53.9 54.84,52.73 55.37,52.2 v1(55.37,51.69) ; v1(106.05,23.88) D1.2 D2.2 ; U12.7 v1(13.34,83.69) ; U8.4 v1(11.17,86.86) ; v1(43.69,61.85) 43.69,62.87 43.41,63.15 U21.94 ; U21.51 54.84,77.62 v1(54.36,78.11) ; U5.4 v1(10.29,63.12) ; U15.8 v1(9.75,38.26) ; U12.6 v1(13.34,82.42) ; 9.75,89.4 v1(11.17,89.4) ; U8.3 v1(11.17,88.13) ; C52.1 v1(69.22,58.8)
  TOP w0.508: U2.2 97.92,109.86 v1(99.82,107.95) ; U24.3 v1(23.63,9.01) ; U3.2 U3.1 v1(86.01,105.7) ; v1(29.59,118.75) 29.59,119.38 D11.2 ; U11.21 v1(23.56,98.11) ; BEAD1.2 12.87,6.29 SW6.1 ; U11.13 v1(13.75,101.13) ; U11.22 v1(23.53,101.13)
  BOTTOM w0.254: R16.1 1.27,54.36 C33.2 v1(0.51,56.52) ; 42.98,75.64 C58.2 43.26,75.44 C69.1 ; 42.98,75.64 v1(41.58,75.64) ; 42.98,75.64 42.55,76.07 v1(42.55,76.83) ; C54.1 v1(45.21,92.84) ; v1(105.92,26.16) C21.2 104.65,28.45 R35.2 R34.2 v1(104.65,44.58) ; C65.1 v1(54.36,78.11) ; J14.2 20.57,30.48 C57.1 ; v1(65.28,24.64) 67.06,26.42 C51.1 ; v1(99.82,85.47) 98.04,85.47 97.03,84.45 C17.1 ; R40.1 v1(10.92,20.83) ; C39.2 v1(80.52,33.53) ; v1(69.09,76.45) 67.56,76.45 ; 67.56,76.45 v1(67.56,78.23) ; 67.56,76.45 C77.2 ; v1(102.49,11.3) 103.12,11.94 103.12,12.57 102.64,13.06 USB1.5 99.55,13.06 v2(97.92,11.43) ; C15.2 v1(74.93,17.02) ; C76.1 42.93,62.61 v1(43.69,61.85) ; v1(43.31,34.8) 45.41,34.8 U26.2 45.47,34.99 v1(45.47,36.58) ; C14.2 15.75,65.53 16.76,64.52 v1(16.76,63.25) ; C23.2 5.46,92.58 v1(5.46,93.22) ; D10.1 v1(14.61,45.85) ; R4.2 v1(96.9,111.38) ; v1(43.81,67.56) 43.31,68.07 C74.1 ; C44.1 v1(62.87,28.7) ; C72.1 v1(55.37,51.69) ; v1(8,76.96) C31.1 C30.1 ; v1(17.02,89.41) 16,90.42 C20.2 ; C40.2 v1(85.09,24.89) ; C28.2 16.38,41.53 17.14,40.77 19.3,40.77 J12.44 ; C24.1 15.88,51.94 v1(15.88,52.45) ; R36.2 v1(65.28,23.37) ; C67.1 66.17,70.36 v1(66.55,70.74) ; C68.1 61.59,77.72 v1(61.98,77.72) ; v1(40.01,57.53) C56.2 38.94,55.68 v1(38.99,55.63) v1(39.75,55.63) C75.1 v1(41.02,54.61) ; C1.2 v1(101.98,9.65) ; C1.2 v1(99.19,9.65) ; C1.2 v1(100.38,8.33) ; C66.1 v1(49.53,78.23) ; v1(84.07,30.48) C41.2 85.11,31.98 C48.1 v1(84.07,32) ; C25.2 16,84.07 15.62,83.69 v1(13.34,83.69) ; C46.1 v1(81.81,29.95) ; R39.2 C71.1 62.23,52.7 v1(62.23,51.69) ; C47.1 v1(85.11,37.74) ; v1(66.55,64.01) 66.17,64.39 C73.1 ; U17.1 4.95,58.04 v1(6.1,56.9) C34.2 ; C55.2 54.36,92.96 54.1,92.71 v1(53.09,92.71) ; 1.65,92.08 v1(0.51,92.08) ; R32.1 C49.1 v1(77.72,32.13) ; v1(4.32,104.39) 3.68,103.76 C35.2 ; v1(3.94,99.53) 3.47,99.06 C32.1 C29.2 3.53,97.54 v1(3.92,97.93) ; C2.2 v1(100.38,18.97) ; C18.1 v1(99.82,89.41) ; U6.6 v1(77.04,13.41) ; C70.1 v1(49.91,51.69) ; C45.1 v1(62.87,27.18) ; v1(62.36,69.34) 62.1,69.34 61.09,70.36 R46.2 ; R19.2 v1(3.17,45.21) ; C50.1 v1(79.25,26.8) ; D8.2 v1(14.35,53.21)
  BOTTOM w0.508: 9.02,106.05 v1(10.16,106.05) ; C62.2 v1(23.62,8.26) ; 98.93,104.01 C6.2 C7.2 98.73,106.86 v1(99.82,107.95) ; 98.93,104.01 v1(100.2,104.01) ; 98.93,104.01 v1(100.2,102.74) ; C10.1 v1(77.85,106.93) ; C26.1 C27.1 v1(7.49,103.76) ; DC1.3 89.81,115.27 88.33,113.79 C5.2 ; C59.1 v1(48.26,108.84) ; C4.2 88.34,110.91 C5.2 ; C4.2 86.74,108.58 C9.2 ; C4.2 88.14,108.38 D3.1 86.49,106.3 C9.2 ; C61.1 v1(41.66,108.84) ; C9.2 C8.2 85.52,110.92 C5.2 ; C60.1 v1(43.43,108.84) ; v1(85.22,105.66) 85.47,105.41 C11.2 C12.2 ; C38.2 v1(1.4,112.27) ; C63.2 v1(23.62,9.78) ; C13.1 v1(77.85,101.73) ; Q2.2 v1(87.88,10.41)
  vias: v1(13.68,119.87) v1(14.83,117.97) v1(14.83,115.81) v1(14.83,113.27) v1(14.83,110.73) v1(14.83,108.19) v1(14.83,105.65) v1(14.83,103.11) v1(16.22,119.87) v1(17.37,117.97) v1(17.37,115.81) v1(17.37,113.27) v1(17.37,110.73) v1(17.37,108.19) v1(17.37,105.65) v1(17.37,103.11) v1(18.76,119.87) v1(19.91,117.97) v1(19.91,115.81) v1(19.91,113.27) v1(19.91,110.73) v1(19.91,108.19) v1(19.91,105.65) v1(19.91,103.11) v1(22.32,117.97) v1(22.32,115.81) v1(22.32,113.27) v1(22.32,110.73) v1(22.32,108.19) v1(22.32,105.65) v1(22.32,103.11) v1(69.09,37.08) v1(69.09,31.62) v1(69.34,58.04) v1(69.34,36.45) v1(69.34,35.81) v1(69.34,35.18) v1(69.34,34.42) v1(69.34,33.78) v1(69.47,66.42) v1(69.72,31.5) v1(69.72,30.73) v1(69.85,37.21) v1(70.1,68.2) v1(70.23,66.42) v1(70.23,57.78) v1(70.23,57.15) v1(70.23,56.39) v1(70.61,66.04) v1(70.61,37.21) v1(71.25,55.24) v1(71.37,37.21) v1(72.01,55.24) v1(72.26,37.21) v1(72.77,57.4) v1(72.77,56.52) v1(72.77,55.24) v1(73.15,37.21) v1(73.53,31.5) v1(73.66,55.24) v1(73.79,59.94) v1(74.17,67.94) v1(74.3,35.81) v1(74.3,35.18) v1(74.3,34.29) v1(74.3,33.53) v1(74.42,55.24) v1(75.06,67.82) v1(75.06,67.06) v1(75.06,66.42) v1(75.18,59.82) v1(75.18,57.66) v1(75.18,56.77) v1(75.18,56.01) v1(75.18,55.24) v1(75.95,59.82) v1(76.07,57.91) v1(84.84,98.68) v1(85.6,98.68) v1(86.49,98.68) v1(86.74,105.66) v2(72.01,27.81) v2(72.01,26.29) v2(72.77,27.05) v2(73.53,27.81) v2(73.53,26.29) v2(93.09,14.61) v2(93.09,13.59) v2(93.09,12.57) v2(93.98,14.61) v2(93.98,13.59) v2(93.98,12.57) v2(95,14.61) v2(95,13.59) v2(95,12.57)
GND_EARTH: length 368.7
  TOP w0.254: J9.14 97.91,43.81 94.61,43.81 v1(93.34,42.55)
  TOP w0.508: MH4.1 103.76,10.03 104.28,10.55 USB2.6 USB2.7 USB2.8 USB2.9 ; MH1.1 5.02,1.59 BEAD1.1
  BOTTOM w0.254: v1(93.34,42.55) 93.34,41.52 J9.8
  BOTTOM w0.508: MH2.1 5.97,120.65 78.29,120.65 78.36,120.73 89.97,120.73 92.71,117.98 MH3.1 103.76,114.45 103.48,114.17 J2.11 106.43,104.06 106.43,84.97 J2.10 J1.11 106.43,70.79 106.43,51.69 J1.10 102.97,48.24 102.59,48.24 J9.14 98.04,43.68 98.04,41.4 103.63,35.81 103.63,28.96 102.93,28.26 102.93,27.43 ; 102.93,27.43 102.92,27.42 99.56,27.42 98.78,28.2 J9.13 ; 102.93,27.43 102.93,26.73 103.89,25.78 103.89,18.82 USB1.6 USB1.7 USB1.8 USB1.9 103.76,9.86 MH4.1 102.71,2.25 USB3.5 USB3.6 82.1,4.45 66.17,4.45 62.48,0.76 5.84,0.76 MH1.1
VCC2_3V3: length 5.4
  TOP w0.254: U24.2 26.93,10.28 v1(27.43,9.78)
  BOTTOM w0.254: R45.1 v1(29.08,10.29) ; v1(27.43,9.78) C63.1 ; C62.1 v1(27.43,8.26)
  vias: v1(27.43,9.02) v1(28.32,9.78) v1(28.32,9.02) v1(28.32,8.26) v1(29.08,9.27) v1(29.08,8.13) v1(79.38,103.76) v1(79.38,103.12) v1(79.38,102.49) v1(79.38,101.85) v1(83.57,101.09) v1(83.57,100.2) v1(83.57,99.31)
VCC_3V3: length 121.3
  TOP w0.254: R15.1 v1(70.74,3.17) ; U21.95 v1(39.75,62.65) ; U12.8 v1(13.34,84.96) ; U13.8 v1(15.15,52.42) ; U21.84 39.76,68.15 v1(39.75,68.16) ; v1(91.95,82.17) 91.95,82.8 92.2,83.06 U7.16 ; U21.52 v1(54.34,74.19) ; 50.34,53.9 v1(50.34,55.58) ; R14.1 v1(73.79,5.33) ; v1(62.36,70.36) 62.65,70.65 U21.30 ; U21.62 v1(49.34,74.23) ; U21.39 v1(60.84,74.3) ; U8.8 v1(13.34,90.67) ; 61.84,53.9 v1(63.5,53.9) ; U21.72 v1(44.34,77.85) ; R13.1 v1(77.34,5.33) ; 55.34,53.9 v1(55.34,55.59) ; U21.108 v1(43.8,56.15) ; U21.17 v1(62.36,64.15)
  TOP w0.508: U11.12 v1(10.29,102.63)
  BOTTOM w0.254: L7.1 54.2,94.72 v1(53.09,93.6) ; C72.2 55.34,54.39 v1(55.34,55.59) ; C34.1 C33.1 2.79,56.9 1.65,58.04 ; C30.2 4.95,74.42 U14.3 4.95,75.95 C31.2 ; v1(49.34,74.23) 49.34,75.24 C66.2 ; v1(44.34,77.85) 44.34,77.71 44.96,77.09 C69.2 ; C70.2 50.34,54.78 v1(50.34,55.58) ; U6.4 74.84,14.26 R10.1 R6.2 76.58,15.88 C15.1 v1(76.45,17.78) ; C24.2 15.15,51.47 v1(15.15,52.42) ; v1(64.9,26.04) 66.04,26.04 66.93,26.92 66.93,27.69 67.67,28.42 L6.1 ; R12.1 v1(64.9,14.48) ; U9.6 105.16,26.42 C21.1 ; J14.1 18.03,30.99 C57.2 ; v1(5.33,103) 4.45,103 3.45,102.01 L4.1 ; R7.2 v1(79.63,15.62) ; C71.2 62.82,53.9 v1(63.5,53.9) ; v1(59.62,51.74) 59.62,52.65 59.44,52.83 R38.2 ; v1(39.75,62.65) 39.79,62.61 C76.2 ; L3.2 1.4,95.63 v1(2.41,94.61) ; D12.1 65.66,42.55 v1(64.64,42.55) ; C65.2 54.34,75.42 v1(54.34,74.19) ; R11.1 v1(70.48,15.49) ; v1(13.34,84.96) 14.47,84.96 C25.1 16,86.49 R9.2 R8.2 14.48,89.79 C20.1 14.47,90.67 v1(13.34,90.67) ; C74.2 40.93,68.16 v1(39.75,68.16) ; v1(62.36,70.36) 63.63,70.36 ; C68.2 60.84,75.44 v1(60.84,74.3) 60.84,73.81 L8.2 ; 63.63,64.39 63.38,64.15 v1(62.36,64.15) ; v1(17.53,66.17) 17.4,66.17 16.13,67.44 L2.2 ; L5.1 v1(1.37,107.85) ; v1(43.8,56.15) 43.07,56.15 C75.2
  BOTTOM w0.508: v1(10.29,102.63) 10.28,102.62 9.02,102.62 9.02,101.09 ; J15.25 J15.24 45.85,109.86 ; C68.2 63.37,75.44 C77.1 v1(64.14,78.11) ; 45.85,109.86 C59.2 ; 45.85,109.86 C60.2
  vias: v1(10.67,17.4) v1(10.67,16.51) v1(10.67,15.75) v1(10.67,14.86) v1(63.37,78.11) v1(64.9,78.11) v1(79.12,110.87) v1(79.12,110.24) v1(79.12,109.6) v1(79.12,108.97)
VCC_5V: length 26.4
  TOP w0.254: v1(13.59,41.53) v1(13.59,40.89) ; v1(13.59,41.53) v1(13.59,42.16) ; v1(13.59,41.53) U15.3 ; U1.7 96.52,15.54 ; 95.98,16 95.93,16.05 U1.8
  TOP w0.508: 95.98,16 v1(96.52,16) 96.52,15.54
  BOTTOM w0.254: v1(96.52,16) 95,17.53 R3.2 ; C28.1 13.95,41.53 13.95,41.53 v1(13.59,41.53) v1(13.59,42.16)
  BOTTOM w0.508: R25.2 91.19,10.03 91.95,10.79 94.59,10.79 95,10.39 Q1.2 96.85,9.53 C1.1 96.98,9.96 96.52,10.41 v1(96.52,16) ; J15.28 40.77,110.74 40.13,110.11 C61.2
  vias: v1(83.69,111.38) v1(83.69,110.87) v1(83.69,110.36) v1(83.69,109.86) v1(83.69,104.14) v1(83.69,103.63) v1(83.69,103.12) v1(83.69,102.62) v1(94.87,8.26) v1(95.5,8.26) v1(96.14,8.26) v1(96.77,8.26) v1(97.41,8.26)
VCC_5VOUT: length 3.2
  BOTTOM w0.254: R5.1 96.9,107.74 96.6,107.44 ; C6.1 C7.1
  vias: v1(92.96,102.74) v1(92.96,102.11) v1(92.96,101.47) v1(93.6,102.74) v1(93.6,102.11) v1(93.6,101.47) v1(94.36,102.74) v1(94.36,102.11) v1(94.36,101.47) v1(95,102.74) v1(95,102.11) v1(95,101.47)
VCC_LAN8720A: length 60.9
  TOP w0.203: U20.9 v1(69.47,27.3)
  TOP w0.254: v1(76.2,25.53) 75.44,25.53 75.16,25.8 U20.19 ; U20.1 74.02,29.57 v1(74.93,30.48)
  TOP w0.508: J9.5 93.47,36.57 J9.4 92.2,35.3 88.2,31.31 v1(83.38,31.31)
  BOTTOM w0.254: C39.1 R29.1 85.09,35.03 R28.1 ; C39.1 82.17,34.67 77.22,34.67 76.2,33.66 C49.2 75.56,30.48 v1(74.93,30.48) 71.5,30.48 69.75,28.73 L6.2 ; C39.1 83.31,28.98 C46.2 R30.1 85.09,28.93 R31.1 ; C50.2 v1(76.2,25.53) 75.56,24.89 71.5,24.89 69.98,26.42 C51.2
  BOTTOM w0.508: C46.2 83.38,28.99 v1(83.38,31.31) 83.38,33.46 C39.1
VCC_VBAT: length 156.2
  TOP w0.254: v1(56.52,39.62) 56.52,39.75 68.2,51.44 68.2,57.53 67.08,58.65 U21.6 ; v1(23.11,37.97) 32.51,28.57 v1(32.51,24.77) ; v1(56.52,24.77) v1(51.44,24.77) ; v1(9.65,58.93) v1(9.65,52.7)
  BOTTOM w0.254: v1(32.51,24.77) v1(51.44,24.77) ; D12.2 63.73,39.37 ; 63.73,39.37 63.48,39.62 v1(56.52,39.62) v1(56.52,24.77) ; 63.73,39.37 D13.2 ; v1(9.65,52.7) 9.65,49.28 11.56,47.37 11.56,40.01 13.59,37.97 v1(23.11,37.97) ; 3.43,86.87 3.43,86.49 8.89,81.03 8.89,72.39 8.38,71.88 8.38,59.56 9.02,58.93 v1(9.65,58.93)
VCC_VDDA: length 11.6
  TOP w0.254: v1(62.36,73.41) 62.36,72.64 62.85,72.15 U21.33
  BOTTOM w0.254: R47.1 65.15,73.03 64.77,73.41 v1(62.36,73.41) 62.36,72.77 61.85,72.26 61.34,72.26 C64.2 60.83,71.88 59.31,73.41 L8.1
VCC_VUSB:
  vias: v1(96.77,96.65) v1(96.77,96.14) v1(97.28,96.65) v1(97.28,96.14) v1(97.79,96.65) v1(97.79,96.14) v1(98.3,96.65) v1(98.3,96.14) v1(98.81,96.65) v1(98.81,96.14) v1(99.31,96.65) v1(99.31,96.14) v1(100.08,16.13) v1(100.08,12.19) v1(100.08,11.68) v1(100.46,15.75) v1(100.58,12.19) v1(100.58,11.68) v1(100.84,16.13) v1(101.09,12.19) v1(101.09,11.68) v1(101.6,16.26) v1(101.6,12.19) v1(101.6,11.68)
VSSA: length 6.2
  TOP w0.254: U21.31 v1(62.36,71.15)
  BOTTOM w0.203: 59.44,71.12 R46.1 ; 59.44,71.12 59.46,71.15 v1(62.36,71.15) ; 59.44,71.12 C64.1
ADXL345_INT: length 142.9
  TOP w0.203: v1(9.02,60.2) 7.87,59.05 7.87,45.59 8.64,44.83 11.3,44.83 12.06,44.07 ; v1(10.16,96.01) 13.34,92.84 J12.3 ; v1(38.23,37.47) 41.28,40.52 50.04,40.52 58.34,48.81 58.34,53.9 ; 12.06,44.07 12.06,35.81 15.62,32.26 15.62,29.34 J14.3 ; 12.06,44.07 12.06,44.7 11.68,45.09
  BOTTOM w0.203: R22.2 9.4,95.76 9.4,71.76 9.02,71.37 v1(9.02,60.2) ; R22.2 v1(10.16,96.01) ; R22.2 R21.2 ; J14.3 19.05,27.94 28.7,27.94 v1(38.23,37.47)
BOOT0: length 56.1
  TOP w0.203: 58.84,53.9 58.84,48.61 49.6,39.37 v1(43.31,39.37)
  BOTTOM w0.203: R42.1 32.13,33.66 37.85,39.37 v1(43.31,39.37)
BOOT1: length 207.4
  TOP w0.203: v1(58.29,47.24) 49.78,38.73 v1(43.31,38.73) ; v1(73.66,47.24) 81.15,54.74 J10.33 ; v1(59.56,61.59) 56.34,64.81 U21.48 56.34,78.94 65.91,88.51 65.91,103.13 61.86,107.18 v1(61.14,107.18)
  BOTTOM w0.203: J15.29 36.7,115.95 32.26,115.95 31.62,115.32 31.62,110.87 35.31,107.18 v1(61.14,107.18) ; J10.33 83.8,54.74 76.95,61.59 v1(59.56,61.59) ; v1(43.31,38.73) 37.85,38.73 31.24,32.13 R43.2 ; v1(58.29,47.24) v1(73.66,47.24)
BT_RXD: length 51.5
  TOP w0.254: U11.2 10.76,117.63 10.24,118.15 9.53,118.15 9.27,117.89 9.27,95.63 4.01,90.37 4.01,83.25 8.01,79.25 11.39,79.25 11.91,78.73 11.91,77.85 12.17,77.6 J6.2
BT_TXD: length 52.2
  TOP w0.254: U11.1 10.76,119.13 10.24,118.6 9.34,118.6 8.81,118.08 8.81,95.82 3.56,90.56 3.56,83.06 7.82,78.79 11.2,78.79 11.46,78.54 11.46,77.85 11.2,77.6 J6.1
CAN_RX: length 87.9
  TOP w0.203: U15.4 15.62,42.8 16.26,42.16 16.26,41.38 16.93,38.44 17.4,37.97 22.16,37.97 31.52,28.62 31.52,20.49 31.74,20.27 32.08,20.27 32.26,20.45 v1(32.64,20.45)
  BOTTOM w0.203: v1(32.64,20.45) 33.02,20.45 33.15,20.32 86.16,20.32 86.36,20.52 J8.2
CAN_TX: length 85.3
  TOP w0.203: v1(32.64,19.68) 32.26,19.68 32.08,19.86 31.57,19.86 31.11,20.32 31.11,28.45 22,37.57 17.23,37.57 16.57,38.23 16.42,38.86 16.25,38.99 U15.1
  BOTTOM w0.203: v1(32.64,19.68) 32.89,19.68 33.12,19.91 86.11,19.91 86.36,19.66 J8.1
